# Allegro board reServer J2032_V1.brd (continued)
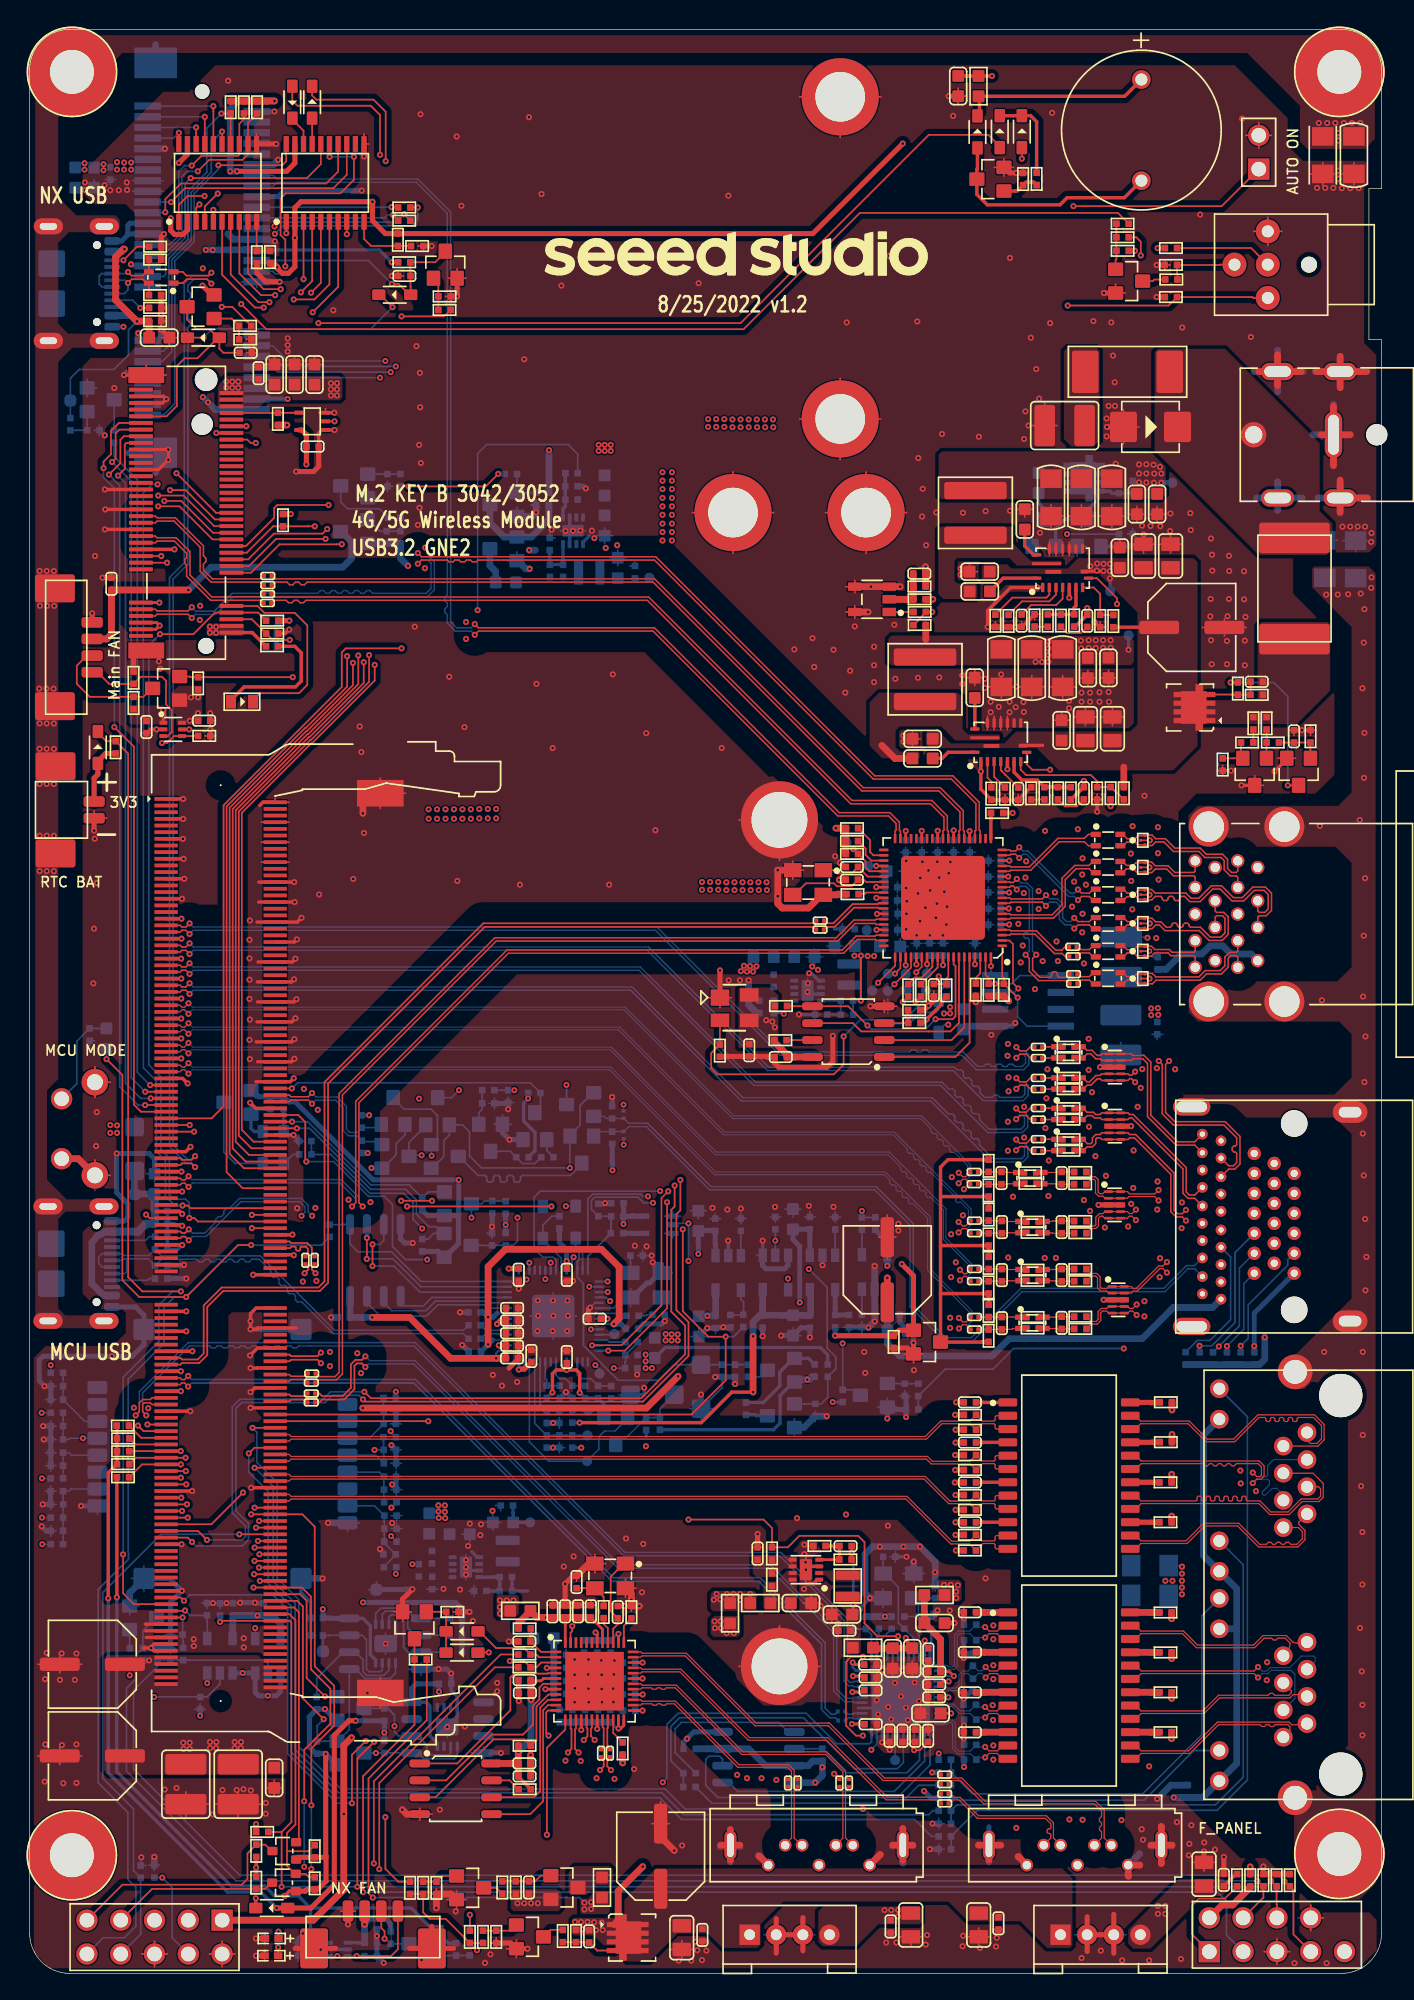
[diagram p0: board, top side]
## Nets (continued)
N5989703: R111.1 T2.21
N5989799: C117.2 T2.7
N5989803: R112.1 T2.18
N5989899: C118.2 T2.10
N5989903: R113.1 T2.15
N6117209: R9.2 R13.2 R14.1 U2.7
N6117317: R15.1 U2.2
N6117440: C17.1 U2.16(VCC)
N6117796: C18.1 U2.4
N6118049: R16.1 U2.3
N6118193: C8.1 U2.19
N6118398: R10.1 R11.1 R12.1 U2.6
N6118503: R12.2 R17.1
N6119013: C11.1 R11.2
N6125240: C19.1 U3.19
N6125534: R19.1 R20.1 R21.1 U3.6
N6125566: C32.1 U3.16(VCC)
N6125578: R18.2 R23.1 U3.7
N6125690: C25.1 R21.2
N6125698: R26.1 U3.3
N6125854: R25.1 U3.2
N6125862: C33.1 U3.4
N6125914: R20.2 R27.1
N6138605: C2.1 R1.2
N6156008: C106.1 R103.1 U16.9 X2.1
N6156016: R102.1 U16.10
N6156020: C107.1 R102.2 R103.2 X2.3
N6158172: R99.1 R100.1 U16.1
N6158748: R98.1 U16.2
N6159000: R97.1 U16.3
N6162865: TP8.1(TP) U16.32
N6164438: D25.2 J7.R11(YELC) R114.2
N6164456: D24.2 J7.R9 R115.2
N6173625: R136.1 U21.22
N6174051: R137.1 U21.37
N6182664: R135.1 U21.40
N6182668: C181.1 R135.2 X4.3
N6182676: C180.1 U21.39 X4.1
N6183319: C175.1 R134.1 U21.1(XTSTN)
N6184499: LED1.1 R132.2
N6184581: LED2.1 R133.2
N6201361: C198.2 Q14.4 R138.2 R141.1
N6201426: Q16.1 R144.2 R146.1
N6201991: Q16.3 R141.2
N6202757: C199.2 Q15.1 R139.2 R143.1
N6202805: Q17.3 R143.2
N6202859: Q17.1 R145.2 R147.1
N6208778: Q21.3 R159.1 R161.1 R165.1 R167.1 R169.1 R174.1 R182.1 R184.1
N6213280: D32.2(C) D33.2(C) L15.1 Q20.3
N6213304: D32.1 R164.2
N6213694: Q22.1 R185.1 R186.1
N6218833: Q30.3 R195.2 R197.2
N6218863: Q29.1 R197.1
N6219015: Q30.1 R198.1 R201.1
N6220768: R191.1 U24.3
N6232091: R190.2 U24.4
N6235704: C244.2 D43.1 J15.67 Q31.3
N6241450: Q31.1 R214.1 R215.1
N6252763: Q32.1 R230.1 R231.2
N6265999: Q33.1 R238.1 R240.1
N6266403: Q33.3 R237.2
N6267031: J18.B5 R244.1
N6267038: J18.A5 R243.1
N6319905: C74.1 U10.20 X1.1
N6319917: C73.1 R59.2 X1.3
N6319923: R59.1 U10.21
N6320650: R57.1 U10.46
N6320678: R58.1 U10.47
N6322452: J3.2 Q10.3 R72.2
N6322569: J3.1 R74.1 U13.3
N6324435: B1.1 D8.2(C) R73.2
N6324442: B1.2(-) D8.1 Q11.3
N6324669: Q11.1 R75.2 R76.1
N6345897: C31.2 Q3.4 Q4.1 Q5.3 R22.2
N6347539: Q5.1 R28.2 R29.1
N6351323: C37.1 R30.2 R32.2 U4.5 U4.6
N6351435: C35.1 R31.2 R33.2 U5.5 U5.6
N6352293: C44.1 R39.2 R40.2 U7.5 U7.6
N6357961: C48.1 R38.2 R41.2 U6.5
N6359693: R80.2 SW1.4(B2)
N6362034: Q4.3 R24.2
N6364353: J4.1 R78.2
N6364360: J4.2 R79.2
N6381904: C3.1 R4.2 R7.1 U1.2
N6382160: R274.1 U1.1(RST)
N6382335: Q6.3 Q7.1 R46.2
N6383254: Q7.3 R47.2
N6383325: Q6.1 R48.2 R49.1
N6386970: R56.1 U10.16 U11.2
N6389149: D5.1 R53.2 U10.9
N6389895: C77.1 D6.1 D7.2(C) R68.2 R259.1 U10.12
N6391636: Q9.3 R66.2
N6391640: Q8.1 R65.2 R66.1
N6393951: Q8.3 R68.1
N6396120: R52.1 U8.4(Y)
N6419730: D16.2(C) D17.2(C) Q13.1 R86.1
N6437071: R152.2 R155.1 U22.4
N6437075: R153.1 U22.3
N6440592: R154.2 R156.1 U23.4
N6440604: R157.1 U23.3
N6489633: R221.2 R223.2 U26.10
N6507058: R222.2 R224.2 U27.10
N6511242: LED3.1 R217.1
N6514086: C243.1 D42.2 J14.CA7 R209.2 R213.2
N6514106: C242.1 D41.2 J14.CA3 R212.2
N6514116: C241.1 D40.2 J14.CA2 R211.2
N6514126: C239.1 C240.1 D39.2 J14.CA1 R209.1 R210.2
N6516315: C253.1 C254.1 D45.2 J14.CB1 R232.1 R233.2
N6516323: C257.1 D48.2 J14.CB7 R232.2 R236.2
N6516459: C255.1 D46.2 J14.CB2 R234.2
N6516483: C256.1 D47.2 J14.CB3 R235.2
N6535585: J17.A5 R241.1
N6535593: J17.B5 R242.1
N6627240: D9.2(C) D10.2(C) R75.1
N6721747: C266.1 J5.239 R253.1
N6794653: R127.2 U18.7
N6803374: R124.2 U17.66
N6803396: R123.2 U17.65
N6924505: D61.2(C) R256.1 R257.1
N7385804: D63.2 FB13.2 SW2.1
N7643748: R267.2 R268.1 U32.2(REF)
N7643752: R266.2 R267.1
N7643976: R269.2 R273.1 U32.1
N7644022: C1.2 Q1.4 R270.2 R271.1
N7644577: Q38.3 R271.2
N7644830: C281.1 Q38.1 R272.1 R273.2
N7679247: D66.2(C) Q39.3 R275.2 R276.1
N7686262: Q40.2(S) R283.2 R287.2
N7686266: J22.2 Q40.3 R284.2
N7686328: J22.1 R285.1 U33.3
N7845493: Q41.1 R292.2
N8046243: C285.2 Q42.1 R293.2 R294.1
N8046291: Q43.3 R294.2
N8046355: Q43.1 R295.2 R296.1

Pads without a net: J4 9; J5 3 4 5 6 9 10 11 12 15 16 17 18 21 22 23 24 27 28 29 30 33 34 35 36 40 42 46 48 52 54 58 60 64 66 70 72 76 78 82 84 103 105 114 116 120 121 122 123 137 139 140 142 143 145 148 149 150 151 154 155 156 157 179 219 221 223 225 227 229; J13 A14 S2; J14 CA4 CA6 CA8 CB4 CB6 CB8; J15 1 21 40 41 42 43 44 46 47 48 49 50 52 53 54 55 56 58 66 69 75; J16 3 5 6 7 16 17 28 42 44 46 48; J17 A8 B8; J18 A8 B8; MH10 1; U10 4 5 29 30 32 34 36 41; U16 4 5 7 31; U17 21 31 32 34 35 39 57; U21 43 44 45 46; U27 9 12; U28 1 2 3 7; U29 1 2 3 7

## Via types
v1: diameter 0.457, hole 0.203, TOP to BOTTOM, 1659 vias
v2: diameter 0.406, hole 0.203, TOP to BOTTOM, 1 via

## Routing (per net, layer and track width the routed paths; a pad name or vN(x,y) marks a point on that pad's centre or on a via; arc(x,y) is an arc through that point)
0V95_FB: length 3.6
  TOP w0.203: R44.1 60.3,32.11 60.31,32.1 C46.2 60.85,31.62 60.85,31.61 R42.2 60.32,31.1 60.3,31.08 U7.4
1V1_MCU: length 28
  TOP w0.508: v1(34.45,47.25) v1(34.45,49.31) 34.45,53.09 35.76,54.4 42.97,54.4 44.3,53.07 44.3,49.19 v1(43.9,48.78)
  BOTTOM w0.121: 43.83,48.78 43.6,48.78 43.6,48.79 43.34,48.79 U10.23 ; 34.79,47.58 U10.45
  BOTTOM w0.152: 35.12,49.58 U10.50
  BOTTOM w0.381: 35.12,49.58 34.85,49.31 v1(34.45,49.31) 34.1,49.67 C55.1 ; C54.1 44.45,48.78 v1(43.9,48.78) 43.83,48.78 ; 34.79,47.58 v1(34.45,47.25) C56.1
1V05_FB: length 3.6
  BOTTOM w0.152: R37.1 60.4,72.04 60.41,72.03 C39.2 60.96,72.63 60.95,72.63 R35.2 60.5,73.08 60.49,73.08 U5.4
1V8_FB: length 3.6
  BOTTOM w0.254: U6.4 40.08,106.36 40.09,106.35 R43.2 39.1,105.85 C49.2 39.09,106.41 39.08,106.42 R45.1
1V25_FB: length 3.6
  BOTTOM w0.254: U4.4 34.81,29.77 34.82,29.78 R34.2 35.32,29.27 35.33,29.27 C34.2 34.33,28.72 R36.1
3V3_MCU: length 142.1
  TOP w0.152: v1(35.25,47.18) 35.76,47.18 C60.1
  TOP w0.254: v1(39.29,43.64) 39.29,45.05 39.57,45.34 v1(40.35,45.34) 41.08,45.34 41.34,45.08 v1(41.34,43.63)
  TOP w0.381: v1(35.12,48.78) 35.38,49.05 C58.1 ; v1(40.35,53.52) 40.37,53.5 C63.1 ; v1(35.25,47.18) 35.29,47.15 C60.1 ; C66.1 40.37,45.35 v1(40.35,45.34) ; v1(43.42,49.18) 43.42,49.18 C64.1 ; C62.1 37.18,45.4 36.86,45.4 36.82,45.36 v1(36.75,45.36) ; C60.1 35.79,47.14 C65.1 ; C60.1 C61.1 35.79,48.09 C58.1 ; C59.1 35.79,49.05 C58.1 ; C57.1 v1(36,52.95)
  TOP w0.508: v1(24.19,17.71) 23.61,17.13 v1(23.61,11.97) 23.61,6.29 21.31,3.99 J2.1 ; C65.1 v1(35.06,46.21) 31.63,46.21 28.56,49.28 v1(25.74,49.28)
  LYR3 w0.508: v1(24.19,17.71) 27.34,20.86 27.34,28.99 25.18,31.15 25.18,39.89 25.74,40.44 v1(25.74,49.28) ; v1(17.12,26.89) 18.5,25.51 18.5,13.7 20.23,11.97 v1(23.61,11.97)
  BOTTOM w0.152: v1(36,52.95) 36.12,52.83 U10.1 ; U10.43 35.24,46.78 35.06,46.6 v1(35.06,46.21) ; U10.48 v1(35.12,48.78) 35.52,49.18 U10.49 ; U10.22 v1(43.42,49.18) ; U10.33 v1(40.35,45.34) ; U10.44 v1(35.25,47.18) ; U10.10 v1(40.35,53.52) ; U10.42 v1(36.75,45.36)
  BOTTOM w0.254: R67.1 59.98,46.46 59.42,47.02 47.77,47.02 FB1.2 ; Q39.1 43.16,42.78 R281.1 41.75,43.21 R280.1 41.34,43.63 v1(41.34,43.63) ; 38.9,43.24 R278.1 39.27,43.64 v1(39.29,43.64)
  BOTTOM w0.381: C68.2 44.63,56.89 R50.1 ; U8.5 45.42,56.89 45.39,56.93 45.24,56.93 45.19,56.88 R50.1 ; R50.1 v1(44.62,56.29) ; R53.1 39.81,54.92 40.35,54.38 40.35,53.59 40.35,53.58 v1(40.35,53.52)
  BOTTOM w0.508: v1(25.74,49.28) 25.07,49.28 25.07,49.28 C67.1 24.07,49.29 U9.8 ; 18.86,24.97 U12.5 18.86,26.25 18.22,26.89 C72.2 v1(17.12,26.89) 17.11,26.89 C70.2 15.27,26.25 15.25,26.23 U11.5 15.32,25.09
  vias: v1(46.29,46.49) v1(46.29,45.98) v1(46.29,45.47) v1(46.77,45.47)
3V3_PG: length 58.5
  TOP w0.127: v1(81.72,102.88) 81.72,103.31 80.21,104.82 U3.8
  LYR3 w0.127: v1(81.72,102.88) 81.72,94.61 72.55,85.44 72.55,78.11 72.88,77.78 72.88,74.07 71.03,72.22 71.03,65.77 v1(62.54,57.28)
  BOTTOM w0.127: v1(62.54,57.28) R190.1 62.98,56.8 62.99,56.79 R262.2
5V_PG: length 82
  TOP w0.127: v1(76.69,90.43) 75.35,90.43 74.93,90.84 U2.8
  LYR3 w0.127: v1(58.56,52.92) 57.95,53.52 v1(49.51,53.52) ; v1(49.51,56.34) 61.03,56.34 70.65,65.96 70.65,73.44 72.55,75.34 72.55,77.79 72.25,78.09 72.25,85.99 v1(76.69,90.43)
  BOTTOM w0.127: v1(58.56,52.92) 59.93,51.54 59.93,46.97 60.59,46.31 60.59,45.43 R67.2 59.98,43.28 59.48,42.79 R69.1 58.24,42.79 58.23,42.78 Q9.1 ; v1(49.51,53.52) v1(49.51,56.34) 48.73,56.34 48.63,56.24 U8.2
12V_FAN: length 26.4
  TOP w0.508: v1(11.93,103.94) C79.1 6.14,103.1 6.14,103.09 6.14,100.6 5.8,100.26 J3.3
  BOTTOM w0.508: v1(11.93,103.94) 13.64,105.65 23.53,105.65 24.19,106.31 24.19,107.54 23.41,108.32 Q42.3
AVDD33_PLL: length 8.5
  TOP w0.203: v1(69.45,22.34) 69.13,22.66 C98.1
  TOP w0.508: FB8.2 67.24,27.15 67.24,27.15 C99.1 68.45,25.11 C98.1
  BOTTOM w0.127: U16.15 68.96,22.34 68.96,22.34 v1(69.45,22.34)
GND_EARTH: length 1
  BOTTOM w0.127: C119.2 86.53,30.63 v1(86.6,30.56)
  vias: v1(84.13,15.55) v1(85.35,29.5) v1(85.89,29.5) v1(86.6,30.03) v1(86.6,29.5) v1(86.6,28.99) v1(86.6,28.48) v1(90.99,37.78) v1(91.02,36.81) v1(92.16,36.23) v1(92.97,22.03) v1(93,23.38) v1(96.96,86.21) v1(97.11,73.11) v1(97.29,46.69) v1(97.44,103.59) v1(98.31,103.59) v1(99.1,103.61) v1(99.96,86.65) v1(100.03,103.66) v1(100.06,36.61) v1(99.98,25.94) v1(100.16,96.55) v1(100.16,33.15) v1(100.16,29.22) v1(100.11,22.69) v1(100.16,20.17) v1(100.16,17.89) v1(100.26,99.98) v1(100.26,77.96) v1(100.21,73.39) v1(100.19,63.1) v1(100.26,59.95) v1(100.19,46.69) v1(100.19,40.44) v1(100.31,102.5) v1(100.31,93.2) v1(100.29,89.82) v1(100.37,82.28) v1(100.31,66.96) v1(100.37,56.67) v1(100.39,70.39) v1(100.47,53.83) v1(100.39,51.32) v1(100.85,104.88) v1(100.82,104.1)
GND_EARTH1: length 1.4
  BOTTOM w0.508: J16.53 9.46,144.91
  vias: v1(0.75,105.37) v1(0.77,102.75) v1(0.72,96.53) v1(0.75,93.91) v1(0.75,92.01) v1(0.75,89.36) v1(0.75,85.48) v1(0.75,82.81) v1(1.28,105.37) v1(1.25,96.53) v1(1.28,93.91) v1(1.28,92.01) v1(1.28,89.36) v1(1.28,85.48) v1(1.28,82.81) v1(1.31,102.75) v1(1.82,105.36) v1(1.85,102.74) v1(1.79,96.52) v1(1.82,93.9) v1(1.82,92) v1(1.82,89.36) v1(1.82,85.47) v1(1.82,82.8) v1(96.89,139.02) v1(97.52,139.02) v1(98.13,139.02) v1(98.33,138.26) v1(98.36,137.7) v1(98.76,139.02) v1(99.37,139.02) v1(100.01,139.02)
GND_POWER: length 2025.7
  TOP w0.121: C16.2 79.53,97.91 ; C16.2 78.93,97.31 ; C16.2 79.53,96.71 ; C16.2 80.13,97.31 ; C101.2 64.86,23.5 ; C101.2 64.26,22.91 ; C101.2 64.86,22.31 ; C101.2 65.45,22.91 ; 72.48,93.44 U2.14 72.48,94.44 ; J21.2 93.32,138.1 ; J21.2 92.37,137.14 ; J21.2 91.42,138.1 ; J21.2 92.37,139.05 ; D31.1 v1(84.16,74.74) ; 9.9,122.89 C259.2 ; C259.2 10.5,122.3 ; C259.2 11.09,122.89 ; Q16.2 36.58,2.52 ; Q16.2 35.85,1.85 ; Q16.2 36.58,1.19 ; 72.81,2.89 C195.2 ; C195.2 73.21,3.3 ; C195.2 72.4,3.3 ; 67.11,21.7 C92.2 ; C92.2 67.52,21.3 ; C92.2 67.52,22.1 ; 67.14,23.5 C97.2 67.54,23.09 ; R16.2 73.29,88.57 ; R16.2 73.29,87.77 ; R16.2 73.69,88.17 ; 64.53,46.98 R187.2 64.93,46.58 ; C45.2 59.33,27.82 ; C45.2 58.13,27.82 ; C45.2 58.73,28.42 ; C45.2 58.73,27.22 ; MH1.1 56.35,26.12 ; MH1.1 59.4,23.06 ; MH1.1 53.3,23.06 ; 76.76,108.63 C26.2 ; C26.2 75.79,109.48 ; C26.2 77.73,109.48 ; C26.2 76.76,110.33 ; 46.77,11.25 C279.2 ; C279.2 48.07,11.25 ; C279.2 47.42,12.9 ; 85.31,127.95 D14.1 ; D14.1 85.31,128.76 ; D14.1 85.71,128.35 ; 76.67,96.66 C12.2 ; C12.2 77.64,95.8 ; C12.2 78.6,96.66 ; C12.2 77.64,97.51 ; 67.53,22.26 C98.2 ; C98.2 67.53,23.07 ; C98.2 67.13,22.66 ; Q32.2 32.13,128.08 ; Q32.2 32.79,127.36 ; Q32.2 31.47,127.36 ; 59.69,26.97 C50.2 ; C50.2 60.89,26.97 ; C50.2 60.29,27.56 ; C50.2 60.29,26.37 ; 92.78,1.63 J4.5 ; J4.5 94.69,1.63 ; J4.5 93.74,0.68 ; J4.5 93.74,2.59 ; 25.13,138.2 U27.11 25.48,137.45 ; C13.2 76.28,96.65 ; C13.2 74.35,96.65 ; C13.2 75.31,97.51 ; C13.2 75.31,95.8 ; J4.8 96.28,5.13 ; J4.8 96.28,3.22 ; J4.8 97.23,4.17 ; R231.1 31.64,126.39 ; R231.1 31.64,125.59 ; R231.1 31.24,125.99 ; D30.1 v1(84.19,85.13) ; C14.2 73.99,96.65 ; C14.2 72.06,96.65 ; C14.2 73.03,97.51 ; C14.2 73.03,95.8 ; 81.61,126.91 Q12.2 82.34,126.25 ; 63.8,55.31 C223.2 ; C223.2 64.45,56.97 ; C223.2 65.11,55.31 ; C223.2 64.45,53.66 ; C181.2 41.5,29.86 ; C181.2 41.1,30.27 ; C181.2 41.1,29.46 ; 57.86,116.79 MH5.1 ; MH5.1 60.92,119.84 ; MH5.1 60.92,113.73 ; MH5.1 63.97,116.79 ; 74.3,87.76 C18.2 ; C18.2 74.3,88.57 ; C18.2 74.7,88.17 ; 16.26,122.76 R215.2 ; R215.2 17.06,122.76 ; R215.2 16.66,122.36 ; R215.2 16.66,123.17 ; C60.2 36.72,47.55 ; C60.2 36.72,46.75 ; C60.2 37.12,47.15 ; C236.2 21.41,121.48 ; C236.2 22,120.88 ; C236.2 20.81,120.88 ; 29.58,129.37 R224.1 29.18,129.77 ; Q13.2 28.69,27.17 ; Q13.2 27.37,27.17 ; Q13.2 28.03,26.44 ; C22.2 83.71,108.04 ; C22.2 83.71,106.71 ; C22.2 82.86,107.38 ; C22.2 84.56,107.38 ; 26.35,87.51 J5.262 ; J5.262 28.25,88.66 ; J5.262 26.35,89.82 ; C9.2 91.44,101.12 ; C9.2 89.79,101.78 ; C9.2 89.79,100.47 ; C9.2 88.14,101.12 ; 74.66,135.67 R76.2 75.06,135.27 ; C66.2 40.77,46.77 ; C66.2 39.97,46.77 ; C66.2 40.37,47.17 ; 79.05,108.63 C27.2 ; C27.2 79.05,110.33 ; C27.2 78.08,109.48 ; C27.2 80.01,109.48 ; 36.72,49.59 C59.2 ; C59.2 36.72,50.4 ; C59.2 37.12,50 ; 17.68,3.03 LED2.2 17.68,2.22 ; 37.3,46.85 C62.2 38.11,46.85 ; C100.2 66.33,23.5 ; C100.2 66.33,22.31 ; C100.2 65.73,22.91 ; C100.2 66.93,22.91 ; 80.48,97.32 C15.2 ; C15.2 81.08,97.92 ; C15.2 81.08,96.72 ; C15.2 81.67,97.32 ; C29.2 83.81,109.63 ; C29.2 82.61,109.63 ; C29.2 83.21,110.23 ; C29.2 83.21,109.03 ; C5.2 81.37,95.06 ; C5.2 80.52,94.4 ; C5.2 81.37,93.74 ; C5.2 82.23,94.4 ; 36.71,48.64 C58.2 ; C58.2 36.71,49.45 ; C58.2 37.12,49.05 ; 84.14,109.63 C30.2 ; C30.2 84.73,109.03 ; C30.2 85.33,109.63 ; C30.2 84.73,110.23 ; C237.2 20.51,120.88 ; C237.2 19.91,121.48 ; C237.2 19.31,120.88 ; 97.19,134.34 R261.1 ; R261.1 98.15,135.19 ; R261.1 96.22,135.19 ; R261.1 97.19,136.04 ; 0.61,16.34 C262.2 ; C262.2 2.26,15.69 ; C262.2 3.91,16.34 ; C262.2 2.26,16.99 ; C244.1 17.1,121.76 ; C244.1 16.29,121.76 ; C244.1 16.7,122.16 ; C244.1 16.7,121.36 ; 99.52,134.34 C278.1 ; C278.1 98.56,135.19 ; C278.1 99.52,136.04 ; 71.32,2.09 C194.2 ; C194.2 72.18,2.75 ; C194.2 70.47,2.75 ; C194.2 71.32,3.41 ; 73.48,94.44 U2.12 73.48,93.44 ; 64.23,72.21 U18.4 ; U18.4 64.23,73.11 ; U18.4 65.16,72.66 ; R146.2 35.06,2.68 ; R146.2 34.66,2.28 ; R146.2 35.06,1.88 ; 96.26,93 R272.2 ; R272.2 96.67,93.41 ; R272.2 96.26,93.81 ; C188.2 67.07,2.75 ; C188.2 66.22,2.09 ; C188.2 65.37,2.75 ; 62.01,101.81 U1.5 ; U1.5 61.35,102.28 ; U1.5 62.01,102.75 ; 44.82,27.6 R137.2 45.22,27.2 ; 28.1,127.53 C252.1 27.7,127.93 ; 2.26,22.57 C267.2 ; C267.2 0.61,23.22 ; C267.2 3.91,23.22 ; C267.2 2.26,23.88 ; C78.2 70.38,141.03 ; C78.2 69.78,141.63 ; C78.2 69.78,140.44 ; 64.3,3.06 C189.2 ; C189.2 65.11,3.06 ; C189.2 64.7,2.66 ; C28.2 82.3,109.48 ; C28.2 81.33,110.33 ; C28.2 80.37,109.48 ; C28.2 81.33,108.63 ; J2.2 15.42,1.45 ; J2.2 14.46,2.41 ; J2.2 14.46,0.5 ; J2.2 13.51,1.45 ; R77.2 13.98,92.97 ; R77.2 13.18,92.97 ; R77.2 13.58,92.57 ; C170.2 39.29,28.07 ; C170.2 38.88,27.66 ; C170.2 39.69,27.66 ; U3.15 76.63,107.53 ; U3.15 76.35,107.02 ; U3.15 76.63,106.52 ; C10.2 77.55,94.75 ; C10.2 78.15,94.15 ; C10.2 76.96,94.15 ; 17.06,136.69 U26.11 17.06,138.2 ; 36.72,47.69 C61.2 ; C61.2 37.12,48.09 ; C61.2 36.72,48.49 ; C263.2 13.44,12.71 ; C263.2 11.74,13.64 ; C263.2 11.74,11.78 ; C263.2 10.03,12.71 ; 81.34,107.12 C24.2 ; C24.2 81.93,107.72 ; C24.2 82.53,107.12 ; 79.34,93.74 C6.2 ; C6.2 79.34,95.06 ; C6.2 80.19,94.4 ; C6.2 78.49,94.4 ; 55.11,32 C44.2 54.3,32 ; X4.4 44.78,29.62 ; X4.4 45.59,28.94 ; X4.4 44.78,28.25 ; 67.73,105.16 C3.2 67.32,104.76 ; 93.05,129.83 SW1.2 ; SW1.2 92,130.88 ; SW1.2 94.1,130.88 ; SW1.2 93.05,131.93 ; C264.2 17.38,12.71 ; C264.2 15.67,11.78 ; C264.2 13.97,12.71 ; C264.2 15.67,13.64 ; 4.9,65.8 SW2.3 ; SW2.3 6.05,66.96 ; SW2.3 4.9,68.11 ; C23.2 71.23,105.31 ; C23.2 70.63,105.91 ; C23.2 70.04,105.31 ; 58.89,31.71 R44.2 58.49,32.11 ; 17.42,86.49 J5.8 19.48,86.49 ; MH3.1 65.91,109.75 ; MH3.1 62.86,106.7 ; MH3.1 59.81,109.75 ; MH3.1 62.86,112.8 ; C90.2 67.92,18.31 ; C90.2 67.52,17.91 ; C90.2 67.52,18.72 ; C90.2 67.12,18.31 ; 8.43,1.45 J2.6 ; J2.6 9.38,2.41 ; J2.6 9.38,0.5 ; J2.6 10.34,1.45 ; 57.35,82.19 X3.2 ; X3.2 57.35,83.57 ; X3.2 58.16,82.88 ; C186.2 49.01,2.46 ; C186.2 48.16,1.79 ; C186.2 49.01,1.13 ; C186.2 49.86,1.79 ; 52.86,106.7 MH6.1 ; MH6.1 55.91,109.75 ; MH6.1 49.81,109.75 ; MH6.1 52.86,112.8 ; 80.86,101.14 R23.2 80.45,101.55 ; 9.89,124.73 R243.2 10.29,125.13 ; 63.65,21.83 C89.2 63.65,22.64 ; 41.59,49.18 C64.2 41.99,48.78 ; 32.08,4.88 Q17.2 ; Q17.2 31.36,5.54 ; Q17.2 32.08,6.2 ; Q17.2 32.81,5.54 ; D27.1 v1(84.16,83.1) ; 65.75,92.75 C7.2 ; C7.2 66.95,92.75 ; C7.2 66.35,92.15 ; C7.2 66.35,93.35 ; 71.71,93.94 U2.15 ; U2.15 71.98,94.44 ; U2.15 71.98,93.44 ; 21.73,117.26 U14.3 22.23,117.56 ; 87.41,8.34 C196.2 ; C196.2 88.26,7.68 ; C196.2 89.11,8.34 ; 71.03,96.76 C17.2 ; C17.2 71.03,97.95 ; C17.2 71.62,97.35 ; C17.2 70.43,97.35 ; C2.2 76.28,117.99 ; C2.2 77.21,116.29 ; C2.2 v1(75.07,116.29) ; 69.8,24.13 C111.1 70.2,24.54 ; 82.2,114.89 D1.1 ; D1.1 82.2,117.48 ; D1.1 83.37,116.19 ; 50.56,2.03 C187.2 ; C187.2 50.96,2.43 ; C187.2 50.15,2.43 ; X4.2 43.29,30.79 ; X4.2 42.48,31.47 ; X4.2 42.48,30.1 ; 63.64,23.6 C102.2 63.64,22.8 ; 8.76,120.84 J15.77 10.26,120.09 ; 6.14,105.26 C79.2 6.54,104.86 ; 67.55,73.41 C120.2 67.95,73.81 ; R14.2 80.22,88.6 ; R14.2 80.63,88.19 ; R14.2 79.82,88.19 ; C265.2 18.37,14.53 ; C265.2 17.78,13.93 ; C265.2 18.97,13.93 ; C265.2 18.37,13.33 ; 5.79,86.79 J19.2 4.84,87.34 ; 30.16,5.96 R147.2 30.57,6.37 ; 69.8,27.13 C110.1 70.2,27.53 ; C235.2 19.01,120.88 ; C235.2 18.41,121.48 ; C235.2 17.81,120.88 ; C88.2 65.99,18.31 ; C88.2 65.19,18.31 ; C88.2 65.59,18.72 ; 4.9,61.11 SW2.4 6.05,59.96 ; 78.13,107.53 U3.12 78.13,106.52 ; C96.2 67.54,19.54 ; C96.2 66.94,20.14 ; C96.2 66.94,18.94 ; C96.2 66.35,19.54 ; 42.58,27.66 C173.2 42.17,28.06 ; 19.48,84.99 J5.14 17.42,84.99 ; R268.2 89.66,90.76 ; R268.2 89.25,90.36 ; R268.2 89.66,89.96 ; 32.23,26.76 R86.2 ; R86.2 31.82,27.16 ; R86.2 32.23,27.56 ; 8.77,92.77 C80.2 ; C80.2 8.37,93.18 ; C80.2 9.18,93.18 ; 67.12,20.74 C95.2 ; C95.2 67.52,20.34 ; C95.2 67.52,21.15 ; 19.48,87.99 J5.2 18.45,88.28 ; 64.22,18.32 C87.2 ; C87.2 64.63,18.72 ; C87.2 65.03,18.32 ; C32.2 75.38,110 ; C32.2 74.79,109.4 ; C32.2 74.19,110 ; D26.1 v1(84.19,78.88) ; 94.62,93.4 C281.2 95.02,93 ; 29.31,11.51 U20.4 ; U20.4 29.31,12.42 ; U20.4 30.24,11.96 ; 23.37,4.68 J22.4 24.48,4.68 ; 26.35,19.91 J5.261 26.35,22.22 ; 60.37,25.75 C51.2 ; C51.2 60.77,26.15 ; C51.2 60.77,25.34 ; 63.66,19.12 C91.2 63.66,18.31 ; 9.89,123.73 D50.1 10.29,124.14 ; 57.86,140.99 MH4.1 ; MH4.1 60.92,137.93 ; MH4.1 63.97,140.99 ; 58.34,29.38 v1(58.34,30.33) 58.34,31.28 ; Q21.2 67.15,46.54 ; Q21.2 66.42,45.88 ; Q21.2 65.7,46.54 ; 63.66,20.86 C94.2 63.66,21.67 ; 74.15,101.17 C33.2 74.55,101.57 ; Q11.2 73.94,135.69 ; Q11.2 72.5,135.69 ; Q11.2 73.22,135.03 ; Q11.2 73.22,136.35 ; 51.88,72.54 U31.1 ; U31.1 52.73,73.31 ; U31.1 51.03,73.31 ; 62.01,103.71 U1.4 ; U1.4 61.35,104.19 ; U1.4 62.01,104.66 ; 77.13,106.52 U3.14 77.13,107.53 ; 39.97,52.02 C63.2 40.37,51.62 ; C21.2 86.6,107.38 ; C21.2 85.74,106.71 ; C21.2 84.89,107.38 ; C21.2 85.74,108.04 ; 92.06,89.98 U32.3 92.72,89.26 ; 72.98,101.16 R25.2 72.58,101.56 ; C238.2 17.2,121.09 ; C238.2 17.61,120.69 ; C238.2 16.8,120.69 ; 66.15,18.32 C93.2 ; C93.2 66.56,18.72 ; C93.2 66.96,18.32 ; 17.42,83.49 J5.20 19.48,83.49 ; 17.66,1.73 LED1.2 17.66,0.92 ; 70.2,21.51 C112.1 69.8,21.11 ; 75.93,102.11 R27.2 75.52,101.71 ; 77.63,107.53 U3.13 77.63,106.52 ; D28.1 v2(84.16,76.8) ; 72.98,93.44 U2.13 72.98,94.44 ; 13.57,93.71 C81.2 13.97,94.12 ; 93.82,91.29 Q38.2 95.14,91.29 ; 56.35,83.61 MH2.1 53.3,86.66 ; D29.1 v1(84.16,81.04)
  TOP w0.203: J15.3 9.49,100.99 v1(9.76,101.26) 9.54,101.49 J15.5 ; J15.11 v1(9.74,102.99)
  TOP w0.254: v1(9.13,24.44) 9.13,24.53 9.34,24.74 J5.247 ; v1(9.13,24.44) 8.57,24.44 ; v1(9.13,24.44) 9.33,24.24 J5.249 ; U7.3 58.59,30.58 v1(58.34,30.33) ; J5.44 19.88,77.49 v1(20.08,77.68) ; J5.55 v1(11.39,74.74) ; R17.2 75.24,89.11 C18.2 73.29,88.17 R16.2 72.29,88.17 R15.2 71.48,88.97 v1(71.48,90.31) U2.1 ; J5.113 v1(11.41,60.24) ; J15.45 v1(5.65,111.49) ; v1(16.6,43.67) 16.91,43.98 17.01,43.98 17.02,43.99 J5.170 ; J15.71 9.99,117.99 v1(10.27,118.27) 10.06,118.49 J15.73 ; J5.102 v1(19.83,62.99) ; R220.2 19.21,100.67 v1(19.5,100.96) ; J5.61 v1(11.39,73.24) ; C113.1 v1(70.2,17.65) ; J5.31 v1(11.45,80.74) ; J15.27 v1(10.88,106.99) ; J5.2 17.53,87.99 17.29,87.75 ; J5.231 v1(11.44,28.74) ; J5.19 v1(11.57,83.74) ; J5.67 v1(11.39,71.74) ; v1(9.71,98.57) 9.71,99.13 9.46,99.39 J15.76 ; v1(19.97,71.76) 19.7,71.49 J5.68 17.08,71.49 ; J5.129 11.39,56.24 v1(11.46,56.17) ; U7.1 59.19,29.58 58.87,29.26 58.39,29.26 ; C171.2 41.19,27.64 v1(40.73,27.64) ; J15.51 9.69,112.99 v1(10.42,113.72) v1(10.42,114.49) J15.57 ; 17.03,69.99 J5.74 19.7,69.99 v1(19.9,70.19) ; J5.147 v1(11.77,49.74) ; 17.11,74.49 J5.56 19.68,74.49 v1(19.87,74.68) ; U14.3 v1(22.9,117.26) ; R23.2 80.41,101.14 v1(80.05,101.51) ; v1(16.6,45.47) 17.09,45.47 17.1,45.49 J5.164 ; J5.125 11.28,57.24 v1(11.47,57.06) ; J5.165 v1(11.36,45.24) ; 17,66.99 J5.86 19.58,66.99 v1(19.85,67.25) ; v1(71.99,101.15) 71.99,102.39 73.72,104.12 v1(75.73,104.12) U3.1 ; v1(93.56,90.3) 94.48,91.23 Q38.2 ; R268.2 v1(90.29,90.36) ; v1(19.88,81.99) J5.26 17.22,81.99 ; v1(20.53,3) 20.53,2.72 J22.5 ; 20.04,48.49 J5.152 17.13,48.49 17.04,48.39 v1(16.6,48.39) v1(16.6,49) 16.6,49.56 17.02,49.99 J5.146 ; C33.2 74.58,101.17 R27.2 ; J5.159 v1(12.23,46.74) ; J5.135 11.45,54.74 v1(11.47,54.72) ; J5.171 v1(11.36,43.74) ; v1(16.56,46.43) 17.12,46.99 J5.158 ; J5.141 v1(11.6,53.24) ; J5.79 v1(11.39,68.74) ; U32.3 v1(91.07,89.26) ; J5.200 v1(16.65,36.49) ; J5.7 v1(11.54,86.74) ; R77.2 v1(13.58,93.45) ; v1(19.75,55.51) 19.73,55.49 J5.132 ; J5.1 v1(11.54,88.24) ; J5.37 v1(11.41,79.24) ; J5.13 v1(11.52,85.24) ; J5.138 19.82,53.99 v1(19.85,53.96) ; 17.09,78.99 J5.38 20.11,78.99 v1(20.43,79.31) ; U3.5 v1(78.13,103.35) ; R272.2 v1(95.62,93.41) 95.61,93.4 C281.2 ; v1(20.05,73.18) 19.85,72.99 J5.62 17.12,72.99 ; J5.144 v1(16.8,52.49) ; J5.201 v1(12.21,36.24) ; v1(22.92,115.96) U14.1 21.95,115.96 21.72,115.73 C86.2 ; U13.5 v1(11.99,93.46) ; C244.1 16.67,121.78 16.67,122.75 R215.2 ; v1(19.97,76.23) 19.73,75.99 J5.50 17.16,75.99 ; v1(30.21,129.77) R224.1 ; J5.153 v1(11.77,48.24) ; J5.73 v1(11.39,70.24) ; R14.2 v1(80.22,87.28) ; J5.25 v1(11.62,82.24) ; C81.2 v1(13.57,94.67) ; 8.76,25.24 J5.245 ; C80.2 9.06,93.46 v1(9.53,93.46) U13.2 ; U2.5 v1(73.48,90.46) ; J5.49 v1(11.38,76.24) ; 17.22,80.49 J5.32 v1(19.91,80.49) ; v1(11.87,66.86) 11.49,67.24 J5.85 ; v1(19.9,68.71) 19.67,68.49 J5.80 17.13,68.49 ; J5.43 v1(11.41,77.74) ; J15.33 v1(5.65,108.49) ; J5.176 v1(16.6,42.49) ; J15.39 v1(5.67,109.99) ; 8.69,26.24 J5.241 ; J15.77 v1(7.08,120.09) ; 8.72,25.74 J5.243 ; J5.177 v1(12.07,42.24) ; J5.119 v1(11.46,58.74) ; v1(12.09,62.1) 11.73,61.74 J5.107 ; J5.217 v1(11.41,32.24)
  TOP w0.381: J22.6 30.22,1.39 29.84,1.01 v1(29.45,1.01) ; J22.6 31.85,1.88 ; J22.6 30.22,3.53 ; J22.6 28.55,1.88 ; C175.2 v1(36.01,24.93) ; D53.1 9.89,128.77 R244.2 9.89,130.48 v1(10.09,130.68) ; R187.2 65.98,46.98 Q21.2 v1(66.42,47.38) ; D11.1 D12.1 93.7,7.47 92.73,7.47 D13.1 v1(92.72,8.03) ; 81.48,4.44 J11.3 ; J11.3 J11.2 ; J11.3 81.48,1.52 ; D55.8 D55.3 v1(80.33,57.74) ; D76.1 v1(69.58,32.94) ; v1(42.12,50.02) 41.99,49.89 C64.2 ; R74.2 7.81,99.12 8.08,99.39 J15.76 ; J9.3 J9.2 ; J9.3 58.11,1.69 ; J9.3 58.11,4.19 ; J9.2 56.11,4.11 ; J9.2 56.11,1.52 ; Q12.2 v1(80.74,126.25) ; Q32.2 32.13,126 v1(32.11,125.99) R231.1 ; C112.1 v1(70.2,20.65) ; U31.1 v1(51.88,75.35) ; C197.2 v1(89.75,8.74) ; v1(70.22,18.62) 70.2,18.6 C113.1 ; R137.2 45.22,27.6 v1(44.7,27.6) 44.7,27.6 C180.2 ; v1(4.84,85.86) J19.2 ; v1(12.99,126.8) 13.57,126.22 13.74,126.22 Q31.2 ; R130.2 67.22,72.37 v1(67.55,72.7) 67.95,73.1 C120.2 ; v1(69.55,38.95) 69.56,38.94 D80.1 ; R146.2 36.15,2.28 Q16.2 v1(37.42,1.85) ; J11.2 79.48,1.64 ; J11.2 79.48,4.26 ; 36.03,45.47 36.71,46.16 C65.2 ; v1(71.99,101.15) 72,101.16 R25.2 72.59,101.15 R26.2 74.53,101.15 C33.2 ; J22.4 v1(23.92,3.68) ; v1(80.71,50.61) D56.3 D56.8 ; C172.2 v1(40.24,29.27) 40.84,29.86 C181.2 ; C44.2 v1(54.71,33.01) ; C171.2 41.69,27.66 v1(41.69,27.67) 41.7,27.66 C173.2 ; v1(18.78,127.09) 17.74,127.09 17.08,127.74 R223.1 ; v1(60.36,70.44) 60.36,68.51 59.93,68.08 56.3,68.08 55.99,68.39 C123.2 55.42,68.84 55.37,68.89 C280.2 52.46,68.89 52.44,68.87 R264.2 ; C167.2 36.74,21.09 C169.2 v1(36.75,20.47) ; C196.2 v1(88.26,9.16) ; 23,1.88 J22.5 19.94,1.88 ; D81.1 v1(69.59,40.84) ; v1(80.44,68.09) D57.3 D57.8 ; v1(9.89,123.5) 10.5,122.9 C259.2 ; Q13.2 28.03,28.13 v1(28.76,28.86) ; D75.1 v1(69.61,31.78) ; R76.2 v1(74.15,135.27) 73.64,135.27 Q11.2 ; D15.1 v1(84.69,125.94) ; J3.4 v1(4.7,102.18) ; C110.1 70.2,26.69 v1(70.22,26.68) ; C122.2 61.21,83.13 v1(60.89,83.45) ; U18.4 v1(63.19,72.66) ; C99.2 v1(69.5,26.32) ; C117.1 v1(69.53,36.88) ; D1.1 v1(80.96,116.19) ; D82.1 69.56,41.96 v1(69.55,41.97) ; D14.1 v1(84.69,128.35) ; LED1.2 v1(17,1.33) ; D54.1 9.89,126.09 R243.2 9.89,125.13 v1(9.89,124.67) D50.1 ; D58.3 D58.8 v1(82.78,63.65) ; C111.1 v1(70.2,23.69) ; D79.1 v1(69.56,37.82) ; v1(25.38,21.06) J5.261 27.8,21.06 ; v1(20.02,112.83) 21.34,112.83 21.72,113.21 C86.2 ; C252.1 v1(27.22,127.53) ; C78.2 v1(69.07,141.03) ; D78.1 v1(69.58,35.94) ; LED2.2 v1(17,2.62) ; D77.1 v1(69.59,34.82) ; C116.1 v1(69.58,39.88) ; C115.1 v1(69.63,42.9) ; C57.2 v1(36.75,51.44) ; C63.2 v1(40.84,52.02) ; C79.2 v1(5.47,104.86) ; R86.2 v1(33.06,27.16) ; v1(18.53,137.45) U26.11 ; U27.11 v1(25.13,136.51) ; C118.1 v1(69.58,33.89)
  TOP w0.508: R7.2 67.33,105.15 C3.2 v1(67.32,105.69) ; 84.26,9.63 J12.S2 ; J12.S2 85.05,11.03 85.05,11.03 ; J12.S2 85.05,8.27 85.05,8.26 ; J12.S2 85.86,9.63 ; U1.4 v1(63.23,104.19) U1.3 v1(65.43,104.19) ; J10.G3 63.92,8.92 63.92,8.92 ; J10.G1 54.85,8.8 54.82,8.8 ; 98.49,112.19 J20.S1 ; J20.S1 98.49,109.78 ; J20.S1 100.54,110.85 ; 98.49,119.13 J20.S2 ; J20.S2 98.49,121.49 ; J20.S2 100.49,120.35 ; J20.S2 96.69,120.35 ; v1(37.65,16.41) C174.2 37.66,15.77 C168.2 ; 95.56,120.35 J20.S4 ; J20.S4 92.39,120.35 ; J20.S4 93.79,121.62 ; J20.S4 93.79,119.28 ; J10.S2 65.62,8.49 ; J10.S2 64.86,9.63 ; J10.S2 66.38,9.63 ; J10.S2 65.62,10.89 ; 97.07,115.6 J20.2 ; J20.2 97.99,113.28 ; J20.2 99.24,115.6 ; J20.2 97.99,117.75 ; J12.G1 74.31,8.77 74.28,8.77 ; v1(28,12.3) 28.34,11.96 U20.4 ; R125.2 v1(71.11,72.98) ; J10.S1 52.66,10.8 ; J10.S1 53.38,9.63 ; J10.S1 52.66,8.49 ; J10.S1 51.93,9.63 ; X4.2 42.02,30.79 C181.2 ; SW2.2 3.65,61.21 SW2.4 ; v1(25.04,87.15) 25.04,88.16 25.55,88.66 J5.262 ; C170.2 39.29,27.66 C172.2 40.24,27.66 C171.2 ; C121.2 60.86,82.16 v1(60.85,82.15) ; R136.2 v1(44.56,15.81) ; Q17.2 31.66,5.96 R147.2 v1(30.57,4.91) ; 82.59,7.3 82.56,7.32 J12.G3 83.42,8.13 83.42,8.14 ; X3.2 56.23,82.88 v1(56.22,82.89) v1(56.22,80.93) 56.22,80.38 56.27,80.33 56.27,80.33 56.51,80.08 56.52,80.08 56.56,80.04 58.53,80.04 59.52,81.03 X3.4 60.69,81.03 60.74,81.08 R126.2 ; 72.98,9.63 J12.S1 ; J12.S1 72.09,8.52 ; J12.S1 71.31,9.63 ; v1(45.82,27.6) R137.2 v1(45.22,28.07) 45.22,28.49 X4.4 ; U1.5 v1(63.01,102.28) ; v1(48.45,9.23) 47.42,10.25 C279.2
  LYR2_GND w0.121: 65.62,10.89 J10.S2 65.62,8.38 ; J12.G3 83.19,8.13 ; J12.G3 82.56,8.76 ; J12.G3 81.93,8.13 ; J12.G3 82.56,7.51 ; 87.58,60.35 J13.B5 ; J13.B5 88.14,60.91 ; J13.B5 88.69,60.35 ; J13.B5 88.14,59.8 ; J13.A8 94.19,57.85 ; J13.A8 93.54,58.51 ; J13.A8 92.88,57.85 ; J13.A8 93.54,57.2 ; SW2.3 6.05,66.96 ; SW2.3 4.9,68.11 ; SW2.3 4.9,65.8 ; J12.S2 85.05,10.89 ; J12.S2 85.65,9.63 ; J12.S2 84.45,9.63 ; J12.S2 85.05,8.38 ; 88.14,50.5 J13.B19 ; J13.B19 88.14,51.61 ; J13.B19 88.69,51.05 ; J13.B19 87.58,51.05 ; J8.4 92.29,83.74 ; J8.4 92.29,82.43 ; J8.4 92.95,83.09 ; J8.4 91.64,83.09 ; 57.86,116.79 MH5.1 ; MH5.1 60.92,113.73 ; MH5.1 63.97,116.79 ; MH5.1 60.92,119.84 ; J10.G1 56.14,8.13 ; J10.G1 54.88,8.13 ; J10.G1 55.51,7.51 ; J10.G1 55.51,8.76 ; 92.88,53.35 J13.A17 ; J13.A17 93.54,52.7 ; J13.A17 94.19,53.35 ; J13.A17 93.54,54.01 ; 56.35,20.01 MH1.1 ; MH1.1 56.35,26.12 ; MH1.1 53.3,23.06 ; MH1.1 59.4,23.06 ; 91.42,138.1 J21.2 ; J21.2 92.37,139.05 ; J21.2 93.32,138.1 ; J21.2 92.37,137.14 ; J13.B8 90.09,58.55 ; J13.B8 88.98,58.55 ; J13.B8 89.54,58 ; J13.B8 89.54,59.11 ; MH3.1 65.91,109.75 ; MH3.1 62.86,106.7 ; MH3.1 62.86,112.8 ; MH3.1 59.81,109.75 ; J8.13 89.75,83.09 ; J8.13 89.09,82.43 ; J8.13 89.09,83.74 ; J8.13 88.44,83.09 ; J13.B11 88.69,56.35 ; J13.B11 88.14,56.91 ; J13.B11 88.14,55.8 ; J13.B11 87.58,56.35 ; J10.S1 53.26,9.63 ; J10.S1 52.06,9.63 ; J10.S1 52.66,8.38 ; J10.S1 52.66,10.89 ; MH2.1 59.4,86.66 ; MH2.1 56.35,83.61 ; MH2.1 56.35,89.72 ; MH2.1 53.3,86.66 ; SW1.2 93.05,131.93 ; SW1.2 93.05,129.83 ; SW1.2 92,130.88 ; SW1.2 94.1,130.88 ; MH4.1 63.97,140.99 ; MH4.1 60.92,137.93 ; MH4.1 57.86,140.99 ; J13.B2 90.09,62.55 ; J13.B2 89.54,63.11 ; J13.B2 89.54,62 ; J13.B2 88.98,62.55 ; 74.31,8.13 J12.G1 ; J12.G1 75.57,8.13 ; J12.G1 74.94,7.51 ; J12.G1 74.94,8.76 ; 90.14,79.59 J8.7 ; J8.7 90.79,78.93 ; J8.7 90.79,80.24 ; J8.7 91.45,79.59 ; 93.54,60.2 J13.A2 ; J13.A2 92.88,60.85 ; J13.A2 93.54,61.51 ; J13.A2 94.19,60.85 ; J13.B16 89.54,53.81 ; J13.B16 89.54,52.7 ; J13.B16 90.09,53.25 ; J13.B16 88.98,53.25 ; 78.75,7.51 J12.G2 ; J12.G2 78.75,8.76 ; J12.G2 79.38,8.13 ; J12.G2 78.12,8.13 ; MH6.1 55.91,109.75 ; MH6.1 52.86,106.7 ; MH6.1 52.86,112.8 ; MH6.1 49.81,109.75 ; 58.69,8.13 J10.G2 ; J10.G2 59.32,7.51 ; J10.G2 59.32,8.76 ; J10.G2 59.95,8.13 ; 8.43,1.45 J2.6 ; J2.6 9.38,0.5 ; J2.6 10.34,1.45 ; J2.6 9.38,2.41 ; 93.54,55.7 J13.A11 ; J13.A11 93.54,57.01 ; J13.A11 94.19,56.35 ; J13.A11 92.88,56.35 ; J10.G3 63.13,8.76 ; J10.G3 63.76,8.13 ; J10.G3 62.5,8.13 ; J10.G3 63.13,7.51 ; 93.54,58.7 J13.A5 ; J13.A5 94.19,59.35 ; J13.A5 92.88,59.35 ; J13.A5 93.54,60.01 ; J12.S1 72.69,9.63 ; J12.S1 71.49,9.63 ; J12.S1 72.09,8.38 ; J12.S1 72.09,10.89 ; J8.16 87.59,80.24 ; J8.16 87.59,78.93 ; J8.16 86.94,79.59 ; J8.16 88.25,79.59 ; J2.2 15.42,1.45 ; J2.2 14.46,0.5 ; J2.2 13.51,1.45 ; J2.2 14.46,2.41 ; 4.9,61.11 SW2.4 6.05,59.96
  LYR2_GND w0.381: 82.59,8.08 82.59,8.89 ; 82.59,8.08 81.8,8.08 ; 82.59,8.08 82.59,7.24 ; 82.59,8.08 83.47,8.08 ; 52.66,9.58 53.63,9.58 ; 52.66,9.58 52.66,7.96 ; 52.66,9.58 52.66,11.28 ; 52.66,9.58 51.62,9.58 ; 65.62,8.01 65.62,9.63 ; 65.62,9.63 65.62,11.34 ; 65.62,9.63 64.58,9.63 ; 65.62,9.63 J10.S2 66.58,9.63 ; 81.48,4.06 J11.3 ; J11.3 82.39,2.9 ; J11.3 80.44,2.9 ; J11.3 81.48,1.9 ; 72.07,9.61 73.03,9.61 ; 72.07,9.61 72.07,11.31 ; 72.07,9.61 72.07,7.98 ; 72.07,9.61 71.03,9.61 ; 79.48,4.06 J11.2 ; J11.2 78.44,2.9 ; J11.2 79.48,1.9 ; J11.2 80.39,2.9 ; 58.11,4.06 J9.3 ; J9.3 59.02,2.9 ; J9.3 58.11,1.9 ; J9.3 57.08,2.9 ; 96.28,3.16 J4.8 ; J4.8 97.44,4.17 ; J4.8 96.28,5.01 ; J4.8 95.16,4.17 ; J4.5 93.74,2.59 ; J4.5 94.69,1.63 ; J4.5 93.74,0.57 ; J4.5 92.78,1.63 ; 59.17,8.9 59.17,8.11 ; 59.17,8.11 58.23,8.11 ; 59.17,8.11 59.95,8.11 ; 59.17,8.11 59.17,7.35 ; 74.97,8.13 74.18,8.13 ; 74.97,8.13 75.85,8.13 ; 74.97,8.13 74.97,7.29 ; 74.97,8.13 74.97,8.94 ; 85.05,7.98 85.05,9.61 ; 85.05,9.61 86.01,9.61 ; 85.05,9.61 84.01,9.61 ; 85.05,9.61 85.05,11.31 ; 56.11,1.9 J9.2 ; J9.2 57.02,2.9 ; J9.2 56.11,4.06 ; J9.2 55.08,2.9 ; 78.6,7.29 78.6,8.13 ; 78.6,8.13 78.6,8.94 ; 78.6,8.13 77.81,8.13 ; 78.6,8.13 79.49,8.13 ; 54.75,8.06 55.53,8.06 ; 55.53,8.06 56.42,8.06 ; 55.53,8.06 55.53,7.22 ; 55.53,8.06 55.53,8.87 ; 63.15,8.92 63.15,8.16 ; 63.15,8.16 64.02,8.16 ; 63.15,8.16 62.42,8.16 ; 63.15,8.16 63.15,7.32
  LYR2_GND w0.508: 91.99,110.85 J20.S3 ; J20.S3 93.79,109.84 ; J20.S3 95.79,110.85 ; J20.S3 93.79,112.2 ; 98.49,112.15 J20.S1 ; J20.S1 100.49,110.85 ; J20.S1 96.7,110.85 ; J20.S1 98.49,109.68 ; 96.78,120.35 J20.S2 ; J20.S2 100.16,120.35 ; J20.S2 98.49,119.26 ; J20.S2 98.49,121.47 ; 93.79,119.41 J20.S4 ; J20.S4 91.78,120.35 ; J20.S4 95.7,120.35 ; J20.S4 93.79,121.68 ; 97.99,117.95 J20.2 ; J20.2 99.32,115.6 ; J20.2 96.26,115.6 ; J20.2 97.99,113.13